# Altium PCB OneBox.PcbDoc (part 1 of 13) (continued)
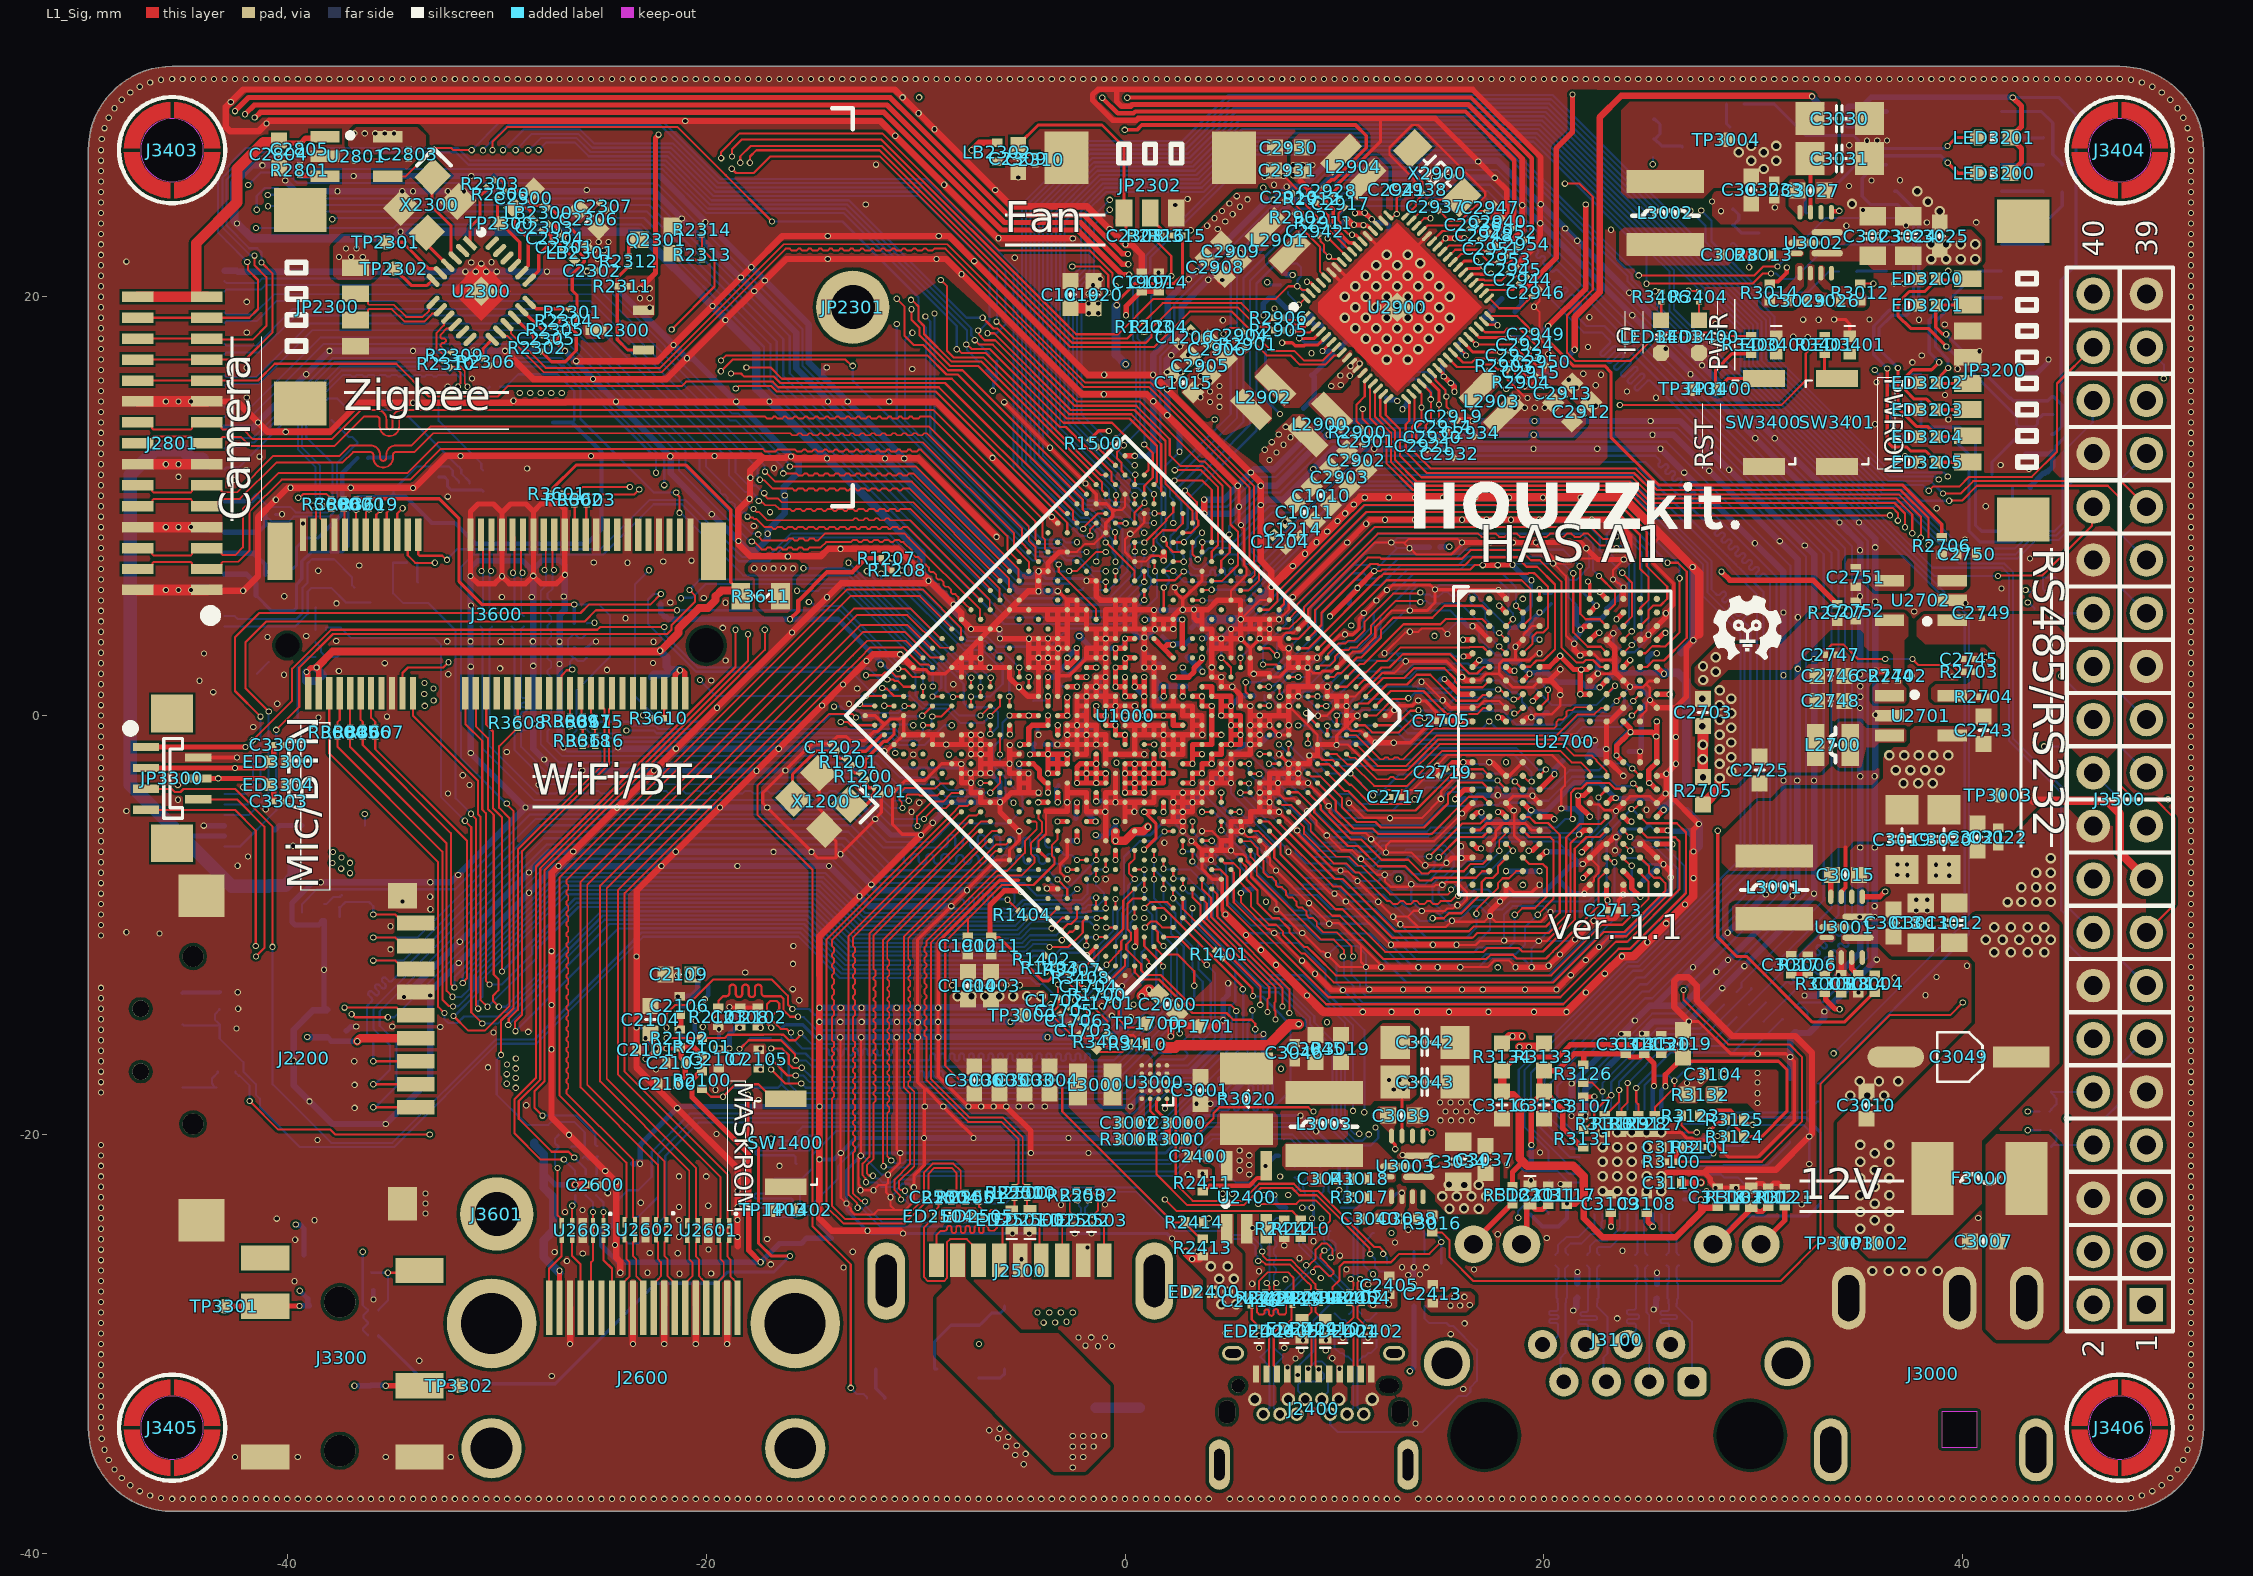
[diagram p0: L1_Sig view]
## Classes and differential pairs (continued)
component class OneBox_23_Usb_Hub: C2300 C2301 C2302 C2303 C2304 C2305 C2306 C2307 C2308 C2309 C2310 JP2300 JP2301 JP2302 LB2300 LB2301 LB2302 Q2300 Q2301 R2300 R2301 R2302 R2303 R2304 R2305 R2306 R2309 R2310 R2311 R2312 R2313 R2314 R2315 R2316 TP2300 TP2301 TP2302 U2300 X2300
component class OneBox_36_Wifi_Bt_Module: C3600 C3601 C3602 C3603 C3604 C3605 C3606 C3607 C3610 C3611 J3600 J3601 R3600 R3601 R3602 R3603 R3604 R3605 R3606 R3607 R3608 R3609 R3610 R3611 R3612 R3613 R3614 R3615 R3616 R3617 R3618 R3619 R3620
component class OneBox_35_Connect: ED3500 ED3501 ED3502 ED3503 J3500 R3500 R3501 R3502 R3503
component class OneBox_34_Key_Debug_Led: C3400 ED3400 ED3401 ED3402 ED3405 J3401 J3403 J3404 J3405 J3406 LED3400 LED3401 R3400 R3401 R3402 R3403 R3404 R3406 R3407 R3408 R3409 R3410 SW3400 SW3401 TP3400 TP3401 TP3402 TP3403
component class OneBox_33_Mic__Button_Speak: C3300 C3302 C3303 ED3300 ED3301 ED3302 ED3303 ED3304 J3300 JP3300 R3305 R3306 R3307 TP3300 TP3301 TP3302 TP3303
component class OneBox_32_Rs232_Rs485: C3200 C3201 C3202 C3203 C3204 C3205 ED3200 ED3201 ED3202 ED3203 ED3204 ED3205 JP3200 LED3200 LED3201 Q3200 Q3201 Q3202 R3200 R3201 R3202 R3203 R3204 R3205 R3206 R3207 R3208 R3209 R3210 R3211 R3212 R3213 R3214 U3200 U3201
component class OneBox_31_Ethernet: C3100 C3101 C3102 C3103 C3104 C3105 C3106 C3107 C3108 C3109 C3110 C3111 C3112 C3113 C3114 C3115 C3116 C3117 C3118 C3119 C3120 C3121 ED3100 ED3101 J3100 L3100 L3101 L3102 L3103 L3104 R3100 R3101 R3102 R3103 R3104 R3105 R3106 R3107 R3108 R3109 R3110 R3111 R3112 R3113 R3114 R3115 R3116 R3117 R3118 R3119 R3120 R3121 R3122 R3123 R3124 R3125 R3126 R3127 R3128 R3129 R3130 R3131 R3132 R3133 R3134 U3100 U3101 U3102 X3100
component class OneBox_30_Power_Cpu_Rtc: C3000 C3001 C3002 C3003 C3004 C3005 C3006 C3007 C3008 C3009 C3010 C3011 C3012 C3013 C3014 C3015 C3017 C3018 C3019 C3020 C3021 C3022 C3023 C3024 C3025 C3026 C3027 C3028 C3029 C3030 C3031 C3032 C3033 C3034 C3035 C3037 C3038 C3039 C3040 C3041 C3042 C3043 C3045 C3046 C3049 D3000 F3000 J3000 L3000 L3001 L3002 L3003 Net R3000 R3001 R3002 R3003 R3004 R3005 R3006 R3012 R3013 R3014 R3016 R3017 R3018 R3019 R3020 TP3000 TP3001 TP3002 TP3003 TP3004 U3000 U3001 U3002 U3003
component class OneBox_29_Power_Pmic: C2900 C2901 C2902 C2903 C2904 C2905 C2906 C2907 C2908 C2909 C2910 C2911 C2912 C2913 C2914 C2915 C2916 C2917 C2918 C2919 C2920 C2921 C2922 C2923 C2924 C2925 C2926 C2927 C2928 C2929 C2930 C2931 C2932 C2933 C2934 C2935 C2936 C2937 C2938 C2939 C2940 C2941 C2942 C2943 C2944 C2945 C2946 C2947 C2948 C2949 C2950 C2951 C2952 C2953 C2954 L2900 L2901 L2902 L2903 L2904 LB2900 LB2901 LB2902 LB2903 LB2904 R2900 R2901 R2902 R2903 R2904 R2905 R2906 R2907 R2908 R2909 R2910 R2911 R2912 U2900 X2900
component class OneBox_28_Mipi_DSI_CSI: C2800 C2801 C2802 C2803 C2804 C2805 C2806 C2807 C2808 C2809 C2810 C2811 C2812 C2813 C2814 C2815 D2800 D2801 D2802 D2803 DZ2800 DZ2801 J2800 J2801 JP2802 L2800 L2801 Q2800 Q2801 R2800 R2801 R2802 R2803 R2804 R2805 R2806 R2807 R2808 R2809 R2810 R2811 R2812 R2813 R2814 R2815 R2816 U2800 U2801 U2802 U2803
component class OneBox_27_LPDDR4X_1X32bit_200P: C2700 C2701 C2702 C2703 C2704 C2705 C2706 C2707 C2708 C2709 C2710 C2711 C2712 C2713 C2714 C2715 C2716 C2717 C2718 C2719 C2720 C2721 C2722 C2723 C2724 C2725 C2726 C2727 C2728 C2729 C2730 C2731 C2732 C2733 C2734 C2735 C2736 C2737 C2738 C2739 C2740 C2741 C2742 C2743 C2744 C2745 C2746 C2747 C2748 C2749 C2750 C2751 C2752 C2753 C2754 C2755 C2756 C2757 C2758 C2759 C2760 L2700 R2700 R2701 R2702 R2703 R2704 R2705 R2706 R2707 U2700 U2701 U2702
component class OneBox_26_Hdmi_2_0_Tx: C2600 D2600 ED2600 J2600 R2600 R2601 R2602 R2603 U2600 U2601 U2602 U2603
component class OneBox_25_Usb_3_0_HOST1: C2500 C2501 C2502 C2503 C2504 C2505 C2506 D2500 ED2500 ED2501 ED2502 ED2503 ED2504 ED2505 ED2506 J2500 L2500 R2500 R2501 R2502 R2503 R2504 R2505 R2506 R2507 R2508 R2509 U2500
component class OneBox_24_Usb_3_0_OTG: C2400 C2401 C2402 C2403 C2404 C2405 C2406 C2407 C2408 C2409 C2410 C2411 C2412 C2413 C2414 C2415 C2416 C2417 C2418 D2400 ED2400 ED2401 ED2402 ED2403 ED2404 ED2405 ED2406 ED2407 ED2408 ED2409 ED2410 J2400 L2400 L2401 L2402 L2403 L2404 R2400 R2401 R2402 R2403 R2404 R2405 R2406 R2407 R2408 R2409 R2410 R2411 R2412 R2413 R2414 R2415 R2416 U2400 U2401 U2402
component class OneBox_22_MicroSd_Card_Spi_Flash: C2200 C2201 C2202 C2203 ED2200 ED2201 ED2202 ED2203 ED2204 ED2205 ED2206 J2200 Q2200 R2200 R2201 R2202 R2203 R2204 U2200
component class OneBox_21_eMmc_Flash: C2100 C2101 C2102 C2103 C2104 C2105 C2106 C2107 C2108 C2109 R2100 R2101 R2102 R2103 U2100
component class OneBox_20_Flash_Power_Manage: C2000 R2001 R2002
component class OneBox_19_RK3568_UVW_Usb3_0_Sata_Qsgmii_Pcie2_0_x1_Usb2_0_Host_Pcie3_0_x2: C49 C1900 C1901 C1902 C1903 C1904 C1905 C1906 C1907 C1908 C1909 C1910 C1911 C1912 C1913 C1914 R1900 TP1900
component class OneBox_18_RK3568_QRST_Hdmi2_0_Tx_Mipi_Dsi_Tx0_Lvds_Tx0_Mipi_Dsi_Tx1_Edp_Tx: C1800 C1801 C1802 C1803 C1804 C1805 C1806 C1807 C1808 C1809 C1810 C1811 C1812 R1800
component class OneBox_17_RK3568_NOP_Vccio7_SARADC_OTP_Mipi_Csi_Rx: C1700 C1701 C1702 C1703 C1704 C1705 C1706 C1707 C1708 C1709 C1710 R1700 TP1700 TP1701
component class OneBox_16_RK3568_M_VCCIO6_Domain: C1600 C1601 R1600 R1601
component class OneBox_15_RK3568_L_VCCIO5_Domain: C1500 R1500 R1501 R1502
component class OneBox_14_RK3568_IJK_VCCIO234_Domain: C1400 C1401 C1402 R1400 R1401 R1402 R1403 R1404 SW1400 TP1402 TP1403
component class OneBox_13_RK3568_H_Vccio1_Domain: C1300
component class OneBox_12_RK3568_G_Osc_Pll_Pmuio1_2: C36 C38 C40 C43 C46 C1200 C1201 C1202 C1203 C1204 C1205 C1206 C1207 C1208 C1209 C1210 C1211 C1212 C1213 C1214 R1200 R1201 R1202 R1203 R1204 R1205 R1206 R1207 R1208 X1200
component class OneBox_11_RK3568_F_Ddr_Phy: C1100 C1101 C1102 C1103 C1104 C1105 C1106 C1107 C1108 C1109 R1100
component class OneBox_10_RK3568_ABCDE_Power_Gnd: C1 C8 C9 C1000 C1001 C1002 C1003 C1004 C1005 C1006 C1007 C1008 C1009 C1010 C1011 C1012 C1013 C1014 C1015 C1016 C1017 C1018 C1019 C1020 U1000
differential pair PCIE20RX: +PCIE20RX_P -PCIE20RX_N
differential pair USB3_DP/DM: +USB3_DP/DM_P -USB3_DP/DM_N
differential pair USB2_DP/DM: +USB2_DP/DM_P -USB2_DP/DM_N
differential pair USB2_M2_DP/DM: +USB2_M2_DP/DM_P -USB2_M2_DP/DM_N
differential pair MIPI_DSI_TX0_D3: +MIPI_DSI_TX0_D3_P -MIPI_DSI_TX0_D3_N
differential pair MIPI_DSI_TX0_D2: +MIPI_DSI_TX0_D2_P -MIPI_DSI_TX0_D2_N
differential pair MIPI_DSI_TX0_D1: +MIPI_DSI_TX0_D1_P -MIPI_DSI_TX0_D1_N
differential pair MIPI_DSI_TX0_D0: +MIPI_DSI_TX0_D0_P -MIPI_DSI_TX0_D0_N
differential pair MIPI_DSI_TX0_CLK: +MIPI_DSI_TX0_CLK_P -MIPI_DSI_TX0_CLK_N
differential pair PCIE20TX: +PCIE20TX_P -PCIE20TX_N
differential pair SSTXCOM: +SSTXCOM_P -SSTXCOM_N
differential pair SSRXCOM: +SSRXCOM_P -SSRXCOM_N
differential pair TYPEC0TX2: +TYPEC0TX2_P -TYPEC0TX2_N
differential pair TYPEC0TX1: +TYPEC0TX1_P -TYPEC0TX1_N
differential pair TYPEC0RX2: +TYPEC0RX2_P -TYPEC0RX2_N
differential pair TYPEC0RX1: +TYPEC0RX1_P -TYPEC0RX1_N
differential pair PHY1_MDI_3: +PHY1_MDI_3_P -PHY1_MDI_3_N
differential pair PHY1_MDI_2: +PHY1_MDI_2_P -PHY1_MDI_2_N
differential pair PHY1_MDI_1: +PHY1_MDI_1_P -PHY1_MDI_1_N
differential pair PHY1_MDI_0: +PHY1_MDI_0_P -PHY1_MDI_0_N
differential pair PHY1_MDI3: +PHY1_MDI3_P -PHY1_MDI3_N
differential pair PHY1_MDI2: +PHY1_MDI2_P -PHY1_MDI2_N
differential pair PHY1_MDI1: +PHY1_MDI1_P -PHY1_MDI1_N
differential pair PHY1_MDI0: +PHY1_MDI0_P -PHY1_MDI0_N
differential pair USB3_OTG0_SSTX: +USB3_OTG0_SSTX_P -USB3_OTG0_SSTX_N
differential pair USB3_OTG0_SSRX: +USB3_OTG0_SSRX_P -USB3_OTG0_SSRX_N
differential pair USB3_OTG0_DP/DM: +USB3_OTG0_DP/DM_P -USB3_OTG0_DP/DM_N
differential pair USB3_HOST1_SSTX: +USB3_HOST1_SSTX_P -USB3_HOST1_SSTX_N
differential pair USB3_HOST1_SSRX: +USB3_HOST1_SSRX_P -USB3_HOST1_SSRX_N
differential pair USB3_HOST1_DP/DM: +USB3_HOST1_DP/DM_P -USB3_HOST1_DP/DM_N
differential pair USB2_HOST2_DP/DM: +USB2_HOST2_DP/DM_P -USB2_HOST2_DP/DM_N
differential pair PCIE20_TX: +PCIE20_TX_P -PCIE20_TX_N
differential pair PCIE20_RX: +PCIE20_RX_P -PCIE20_RX_N
differential pair PCIE20_REFCLK: +PCIE20_REFCLK_P -PCIE20_REFCLK_N
differential pair MIPI_CSI_RX_D1: +MIPI_CSI_RX_D1_P -MIPI_CSI_RX_D1_N
differential pair MIPI_CSI_RX_D0: +MIPI_CSI_RX_D0_P -MIPI_CSI_RX_D0_N
differential pair MIPI_CSI_RX_CLK0: +MIPI_CSI_RX_CLK0_P -MIPI_CSI_RX_CLK0_N
differential pair LPDDR4_B_CLK: +LPDDR4_B_CLK_P -LPDDR4_B_CLK_N
differential pair LPDDR4_A_CLK: +LPDDR4_A_CLK_P -LPDDR4_A_CLK_N
differential pair HDMI_PORT_TXCLK: +HDMI_PORT_TXCLK_P -HDMI_PORT_TXCLK_N
differential pair HDMI_PORT_TX2: +HDMI_PORT_TX2_P -HDMI_PORT_TX2_N
differential pair HDMI_PORT_TX1: +HDMI_PORT_TX1_P -HDMI_PORT_TX1_N
differential pair HDMI_PORT_TX0: +HDMI_PORT_TX0_P -HDMI_PORT_TX0_N
differential pair DDR_B_DQS1: +DDR_B_DQS1_P -DDR_B_DQS1_N
differential pair DDR_B_DQS0: +DDR_B_DQS0_P -DDR_B_DQS0_N
differential pair DDR_A_DQS1: +DDR_A_DQS1_P -DDR_A_DQS1_N
differential pair DDR_A_DQS0: +DDR_A_DQS0_P -DDR_A_DQS0_N

## Components (designator, comment, footprint, x,y, rotation, side; value= is the part's Value field where it differs from the comment)
C1000 "100nF/10V" C0402_NS 0.7,-2.1 r225 bottom
C1001 "4.7uF/6.3V" C0402_NS -0.312,-3.122 r45 bottom
C1002 "22uF/6.3V" C0603_NS 1.8,-2.3 r225 bottom
C1003 "22uF/6.3V" C0603_NS -6.4,-12.9 r270 top
C1004 "22uF/6.3V" C0603_NS -7.5,-12.9 r270 top
C1005 "100nF/10V" C0201_NS -0.603,-0.636 r45 bottom
C1006 "4.7uF/6.3V" C0402_NS -1.226,-0.248 r45 bottom
C1007 "1uF/16V" C0402_NS 0.294,-0.738 r225 bottom
C1008 "1uF/16V" C0402_NS 1.618,-0.393 r45 bottom
C1009 "22uF/6.3V" C0603_NS 1.2,2 r225 bottom
C1010 "22uF/6.3V" C0603_NS 9.371,10.504 r135 top
C1011 "10uF/10V" C0603_NS 8.591,9.713 r135 top
C1012 "100nF/10V" C0201_NS -0.2,0.7 r45 bottom
C1013 "4.7uF/6.3V" C0402_NS -0.784,1.18 r45 bottom
C1014 "22uF/6.3V" C0603_NS 0.4,2.8 r225 bottom
C1015 "22uF/6.3V" C0603_NS 2.8,15.9 r315 top
C1016 "10uF/10V" C0603_NS 3.6,16.7 r315 bottom
C1017 "100nF/10V" C0201_NS -2.12,-3.393 r135 bottom
C1018 "22uF/6.3V" C0603_NS -1.4,-2.1 r270 bottom
C1019 "22uF/6.3V" C0603_NS -2.6,20.1 r270 top
C1020 "10uF/10V" C0603_NS -1.5,20.1 r270 top
C1100 "100nF/10V" C0201_NS 5.312,-1.373 r180 bottom
C1101 "100nF/10V" C0201_NS 3.896,-2.974 r135 bottom
C1102 "4.7uF/6.3V" C0402_NS 3.49,-3.549 r135 bottom
C1103 "4.7uF/6.3V" C0402_NS 4.586,-2.255 r180 bottom
C1104 "10uF/10V" C0603_NS 5.551,0.053 r135 bottom
C1105 "100nF/10V" C0201_NS 4.424,-0.736 r315 bottom
C1106 "100nF/10V" C0201_NS 3.5,-1.65 r315 bottom
C1107 "4.7uF/6.3V" C0402_NS 2.88,-2.627 r45 bottom
C1108 "4.7uF/6.3V" C0402_NS 3.904,1.259 r225 bottom
C1109 "4.7uF/6.3V" C0402_NS 3.832,0.083 r45 bottom
C1200 "100nF/10V" C0201_NS -12.935,0.562 r0 bottom
C1201 "12pF/50V" C0201_NS -11.8,-3.6 r135 top
C1202 "12pF/50V" C0201_NS -13.9,-1.5 r315 top
C1203 "100nF/10V" C0201_NS -5.315,0.16 r225 bottom
C1204 "1uF/10V" C0402_NS 7.4,8.3 r135 top
C1205 "100nF/10V" C0201_NS -4.909,-1.139 r270 bottom
C1206 "1uF/10V" C0402_NS 2.859,18.076 r45 top
C1207 "100nF/10V" C0201_NS -5.5,-1.15 r90 bottom
C1208 "1uF/10V" C0402_NS 0.886,0.446 r0 bottom
C1209 "100nF/10V" C0201_NS 1.7,1.1 r315 bottom
C1210 "100nF/10V" C0201_NS -4.76,-0.176 r45 bottom
C1211 "1uF/10V" C0402_NS -6.4,-11 r90 top
C1212 "100nF/10V" C0201_NS 2.761,0.668 r90 bottom
C1213 "100nF/10V" C0201_NS -3.925,-0.456 r0 bottom
C1214 "1uF/10V" C0402_NS 8,8.9 r135 top
C1300 "100nF/10V" C0201_NS 1.846,-4.334 r270 bottom
C1400 "100nF/10V" C0201_NS 0.919,-4.346 r270 bottom
C1401 "100nF/10V" C0201_NS -1.864,-4.311 r270 bottom
C1402 "100nF/10V" C0201_NS 0.133,-5.692 r270 bottom
C1500 "100nF/10V" C0201_NS -0.934,3.463 r270 bottom
C1600 "100nF/10V" C0201_NS 1.609,3.941 r315 bottom
C1601 "1uF/10V" C0201_NS 3.176,3.931 r270 bottom
C1700 "100nF/10V" C0201_NS 0.202,3.86 r225 bottom
C1701 "1nF/50V" C0201_NS -0.923,-13.723 r45 top
C1702 "1nF/50V" C0201_NS -3.363,-13.608 r45 top
C1703 "1nF/50V" C0201_NS -1.97,-15.013 r45 top
C1704 "1nF/50V" C0201_NS -1.723,-12.923 r45 top
C1705 "1nF/50V" C0201_NS -2.897,-14.087 r45 top
C1706 "1nF/50V" C0201_NS -2.42,-14.563 r45 top
C1707 "100nF/10V" C0201_NS -1.2,-5.506 r225 bottom
C1708 "100nF/10V" C0201_NS -0.45,-6.209 r90 bottom
C1709 "100nF/10V" C0201_NS -1.381,2.559 r270 bottom
C1710 "100nF/10V" C0201_NS -2.527,3.421 r315 bottom
C1800 "100nF/10V" C0201_NS -30.4,-3 r225 bottom
C1801 "100nF/10V" C0201_NS -2.516,0.879 r180 bottom
C1802 "4.7uF/6.3V" C0402_NS -2.381,0.12 r180 bottom
C1803 "100nF/10V" C0201_NS -3.836,1.122 r315 bottom
C1804 "4.7uF/6.3V" C0402_NS -4.715,1.009 r315 bottom
C1805 "100nF/10V" C0201_NS -3.679,2.096 r270 bottom
C1806 "100nF/10V" C0201_NS -3,1.7 r225 bottom
C1807 "100nF/10V" C0201_NS -2.955,2.981 r315 bottom
C1808 "100nF/10V" C0201_NS -1.61,1.826 r180 bottom
C1809 "100nF/10V" C0201_NS -2.18,-5.093 r135 bottom
C1810 "100nF/10V" C0201_NS -0.922,-4.323 r90 bottom
C1811 "1uF/10V" C0201_NS 9.2,15 r135 bottom
C1812 "1uF/10V" C0201_NS 4,4.2 r315 bottom
C1900 "100nF/10V" C0402_NS -7.5,-11 r90 top
C1901 "100nF/10V" C0201_NS -3.058,-4.878 r225 bottom
C1902 "100nF/10V" C0201_NS -4.146,-4.4 r90 bottom
C1903 "100nF/10V" C0201_NS -3,-3.5 r135 bottom
C1904 "100nF/10V" C0201_NS -3.906,-3.675 r0 bottom
C1905 "100nF/10V" C0201_NS -3.42,-2.758 r180 bottom
C1906 "4.7uF/6.3V" C0402_NS -3.126,-1.804 r270 bottom
C1907 "4.7uF/6.3V" C0402_NS 0.8,20.7 r270 top
C1908 "100nF/10V" C0201_NS 3.856,2.936 r225 bottom
C1909 "100nF/10V" C0201_NS 2.967,1.653 r90 bottom
C1910 "100nF/10V" C0201_NS 2.287,4.37 r90 bottom
C1911 "100nF/10V" C0201_NS -4.877,-3.323 r135 bottom
C1912 "100nF/10V" C0201_NS -4.093,-1.368 r180 bottom
C1913 "4.7uF/6.3V" C0402_NS -4.518,-2.326 r90 bottom
C1914 "4.7uF/6.3V" C0402_NS 1.6,20.7 r270 top
C2000 "10uF/10V" C0603_NS 2.04,-13.776 r135 top
C2100 "100nF/10V" C0402_NS -21.83,-17.58 r180 top
C2101 "100nF/10V" C0402_NS -22.869,-15.951 r180 top
C2102 "100nF/10V" C0402_NS -17.535,-14.397 r90 top
C2103 "100nF/10V" C0402_NS -21.447,-16.572 r180 top
C2104 "4.7uF/10V" C0603_NS -22.658,-14.517 r90 top
C2105 "1uF/16V" C0402_NS -17.5,-16.4 r90 top
C2106 "100nF/10V" C0402_NS -21.265,-13.842 r90 top
C2107 "100nF/10V" C0402_NS -19.4,-16.4 r270 top
C2108 "100nF/10V" C0402_NS -18.375,-14.397 r90 top
C2109 "4.7uF/10V" C0603_NS -21.3,-12.361 r180 top
C2200 "10uF/10V" C0603_NS -38.1,-14.7 r90 bottom
C2201 "100nF/10V" C0201_NS -37.2,-15.3 r90 bottom
C2202 "100nF/10V" C0201_NS -14.6,-25.2 r270 bottom
C2203 "1uF/10V" C0201_NS -14,-25.2 r270 bottom
C2300 "22uF/10V" C0603_NS -28.7,24.7 r225 top
C2301 "56pF/16V" C0201_NS -26.764,22.374 r225 top
C2302 "56pF/16V" C0201_NS -25.445,21.246 r0 top
C2303 "100nF/16V" C0201_NS -27.7,23.3 r45 top
C2304 "100nF/16V" C0201_NS -27.2,22.8 r45 top
C2305 "100nF/16V" C0201_NS -27.635,17.998 r135 top
C2306 "22uF/10V" C0603_NS -25.6,23.7 r315 top
C2307 "100nF/16V" C0201_NS -24.923,24.323 r315 top
C2308 "NC" C0201_NS 0.5,22.924 r180 top
C2309 "22uF/10V" C0603_NS -5.1,26.6 r90 top
C2310 "100nF/16V" C0201_NS -4.284,26.535 r90 top
C2400 "1uF/10V" C0402_NS 3.499,-21.03 r0 top
C2401 "47uF/10V" C1206_NS 5.289,-24.634 r270 bottom
C2402 "47uF/10V" C1206_NS 3.4,-24.3 r270 bottom
C2403 "22uF/10V" C0603_NS 5.4,-28.8 r90 bottom
C2404 "100nF/10V" C0402_NS 5.7,-27.3 r180 bottom
C2405 "1uF/16V" C0402_NS 12.615,-27.196 r270 top
C2406 "100nF/10V" C0201_NS 8.1,-21.8 r90 bottom
C2407 "100nF/10V" C0201_NS 8.7,-21.8 r90 bottom
C2408 "100nF/10V" C0201_NS 9.3,-21.8 r90 bottom
C2409 "100nF/10V" C0201_NS 9.9,-21.8 r90 bottom
C2410 "220pF/50V" C0402_NS 13.8,-24.6 r0 bottom
C2411 "220pF/50V" C0402_NS 15.8,-29 r180 bottom
C2412 "1uF/16V" C0402_NS 6.854,-22.495 r270 bottom
C2413 "1uF/16V" C0402_NS 14.7,-27.6 r270 top
C2414 "1uF/16V" C0402_NS 13.405,-29.208 r0 bottom
C2415 "100nF/10V" C0201_NS 8,-27.9 r270 top
C2416 "100nF/10V" C0201_NS 6,-27.937 r270 top
C2417 "100nF/10V" C0201_NS 10,-28.8 r270 bottom
C2418 "100nF/10V" C0201_NS 12,-28.8 r270 bottom
C2500 "100nF/10V" C0201_NS -8.9,-23 r90 top
C2501 "100nF/10V" C0201_NS -7,-23 r90 top
C2502 "1uF/10V" C0402_NS -2.7,-29.2 r90 bottom
C2503 "47uF/10V" C1206_NS -5,-33.1 r0 bottom
C2504 "47uF/10V" C1206_NS -1.4,-31.6 r270 bottom
C2505 "22uF/10V" C0603_NS 0.7,-32.4 r270 bottom
C2506 "100nF/10V" C0402_NS -4.2,-34.6 r0 bottom
C2600 "100nF/10V" C0201_NS -25.3,-22.4 r0 top
C2700 "NC" C0201_NS 24.868,-5.08 r135 bottom
C2701 "22uF/6.3V" C0603_NS 21.499,-1.96 r180 bottom
C2702 "10uF/10V" C0603_NS 14,3.9 r0 bottom
C2703 "10uF/10V" C0603_NS 27.6,0.148 r270 top
C2704 "1uF/10V" C0402_NS 22.957,6.246 r225 bottom
C2705 "100nF/10V" C0201_NS 15.125,-0.244 r0 top
C2706 "100nF/10V" C0402_NS 25.1,-2.8 r270 bottom
C2707 "100nF/10V" C0402_NS 21.3,-4.1 r45 bottom
C2708 "100nF/10V" C0402_NS 19.783,0.389 r135 bottom
C2709 "100nF/10V" C0402_NS 21.283,2.192 r0 bottom
C2710 "100nF/10V" C0402_NS 14.7,1.7 r0 bottom
C2711 "100nF/10V" C0402_NS 18.2,-12 r180 bottom
C2712 "100nF/10V" C0201_NS 13.056,-8.033 r90 bottom
C2713 "100nF/10V" C0201_NS 23.3,-9.3 r180 top
C2714 "100nF/10V" C0402_NS 24.059,-1.266 r90 bottom
C2715 "100nF/10V" C0402_NS 21.231,0.929 r0 bottom
C2716 "100nF/10V" C0402_NS 25.811,-0.998 r180 bottom
C2717 "100nF/10V" C0201_NS 12.94,-3.882 r180 top
C2718 "100nF/10V" C0402_NS 25.5,0.9 r0 bottom
C2719 "100nF/10V" C0201_NS 15.175,-2.712 r45 top
C2720 "100nF/10V" C0402_NS 17.8,-2.3 r0 bottom
C2721 "100nF/10V" C0201_NS 16.468,-3.968 r180 bottom
C2722 "100nF/10V" C0402_NS 25.8,-0.2 r180 bottom
C2723 "22uF/6.3V" C0603_NS 21.3,-7.8 r0 bottom
C2724 "10uF/10V" C0603_NS 20.2,4.3 r135 bottom
C2725 "10uF/10V" C0603_NS 30.3,-2.6 r90 top
C2726 "1uF/10V" C0402_NS 10.756,4.828 r270 bottom
C2727 "100nF/10V" C0402_NS 22.2,4 r0 bottom
C2728 "100nF/10V" C0201_NS 14.785,8.035 r0 bottom
C2729 "100nF/10V" C0402_NS 22.037,5.201 r0 bottom
C2730 "100nF/10V" C0402_NS 24.5,2.6 r180 bottom
C2731 "100nF/10V" C0402_NS 24.728,-8.319 r270 bottom
C2732 "100nF/10V" C0402_NS 16.013,4.128 r270 bottom
C2733 "100nF/10V" C0402_NS 26.5,-5.8 r225 bottom
C2734 "100nF/10V" C0402_NS 6.4,-8.6 r315 bottom
C2735 "100nF/10V" C0402_NS 16.5,-6.3 r0 bottom
C2736 "100nF/10V" C0201_NS 24.004,-5.223 r45 bottom
C2737 "100nF/10V" C0402_NS 23.5,5.1 r270 bottom
C2738 "100nF/10V" C0402_NS 25.8,4.4 r270 bottom
C2739 "100nF/10V" C0402_NS 19.7,-6.445 r180 bottom
C2740 "100nF/10V" C0402_NS 18.3,-7.9 r90 bottom
C2741 "100nF/10V" C0402_NS 17.5,5.634 r315 bottom
C2742 "100nF/10V" C0402_NS 18.861,3.584 r45 bottom
C2743 "10uF/10V" C0603_NS 41,-0.7 r270 top
C2744 "100nF/10V" C0201_NS 36.3,1.9 r270 top
C2745 "100pF/50V" C0201_NS 40.3,2.7 r180 top
C2746 "22uF/6.3V" C0603_NS 33.7,1.9 r180 top
C2747 "100nF/10V" C0201_NS 33.7,2.9 r180 top
C2748 "10uF/10V" C0603_NS 33.7,0.7 r180 top
C2749 "1uF/10V" C0201_NS 40.9,4.9 r270 top
C2750 "NC" C0402_NS 40.2,7.7 r180 top
C2751 "100nF/10V" C0402_NS 34.9,6.6 r90 top
C2752 "4.7uF/6.3V" C0402_NS 34.9,5 r270 top
C2753 "10uF/10V" C0603_NS 26.1,2.5 r225 bottom
C2754 "100nF/10V" C0402_NS 23.366,-3.161 r225 bottom
C2755 "100nF/10V" C0402_NS 16.555,-4.752 r0 bottom
C2756 "100nF/10V" C0402_NS 18.946,-4.576 r0 bottom
C2757 "10uF/10V" C0603_NS 26.3,-4.5 r180 bottom
C2758 "100nF/10V" C0402_NS 23.024,2.601 r0 bottom
C2759 "100nF/10V" C0402_NS 19.895,2.566 r270 bottom
C2760 "100nF/10V" C0402_NS 16.875,3.149 r270 bottom
C2800 "1uF/10V" C0201_NS -34.9,-6.8 r90 bottom
C2801 "22uF/10V" C0603_NS -40.9,-7.5 r90 bottom
C2802 "100nF/10V" C0201_NS -41.798,-7.697 r90 bottom
C2803 "1uF/10V" C0201_NS -34.2,26.8 r270 top
C2804 "22uF/10V" C0603_NS -40.4,26.8 r270 top
C2805 "100nF/10V" C0201_NS -39.398,27.048 r270 top
C2806 "22uF/10V" C0603_NS -34.7,-0.1 r180 bottom
C2807 "22uF/50V" C0603_NS -40.8,2 r180 bottom
C2808 "10uF/50V" C0603_NS -40.8,5.7 r0 bottom
C2809 "1uF/50V" C0603_NS -40.8,10.5 r0 bottom
C2810 "100nF/10V" C0402_NS -30.2,10.7 r180 bottom
C2811 "10uF/10V" C0603_NS -27.9,11.8 r180 bottom
C2812 "100nF/10V" C0402_NS -30.2,11.7 r180 bottom
C2813 "10uF/50V" C0603_NS -40.8,7.6 r180 bottom
C2814 "10uF/50V" C0603_NS -40.8,8.7 r180 bottom
C2815 "1uF/50V" C0603_NS -36.4,14.7 r90 bottom
C2900 "22uF/6.3V" C0603_NS 11.2,17 r225 bottom
C2901 "100nF/10V" C0201_NS 11.52,13.106 r225 top
C2902 "22uF/6.3V" C0603_NS 11.056,12.183 r135 top
C2903 "22uF/6.3V" C0603_NS 10.256,11.383 r135 top
C2904 "100nF/10V" C0201_NS 5.447,18.166 r45 top
C2905 "22uF/6.3V" C0603_NS 3.6,16.7 r315 top
C2906 "22uF/6.3V" C0603_NS 4.4,17.5 r315 top
C2907 "10uF/10V" C0603_NS 15.062,21.546 r45 bottom
C2908 "22uF/6.3V" C0603_NS 4.3,21.4 r135 top
C2909 "22uF/6.3V" C0603_NS 5.058,22.167 r135 top
C2910 "100nF/10V" C0201_NS 7.839,24.76 r225 top
C2911 "10uF/10V" C0603_NS 14.7,17.3 r315 bottom
C2912 "22uF/6.3V" C0603_NS 21.8,14.5 r225 top
C2913 "22uF/6.3V" C0603_NS 20.9,15.4 r225 top
C2914 "1uF/10V" C0201_NS 15.2,13.8 r135 top
C2915 "1uF/10V" C0201_NS 19.4,16.4 r135 top
C2916 "1uF/10V" C0201_NS 9.971,18.346 r225 bottom
C2917 "1uF/10V" C0201_NS 10.292,24.445 r315 top
C2918 "10uF/10V" C0603_NS 12.717,22.622 r90 bottom
C2919 "1uF/10V" C0201_NS 15.7,14.3 r135 top
C2920 "1uF/10V" C0201_NS 14.7,13.3 r135 top
C2921 "1uF/10V" C0201_NS 14.263,12.878 r135 top
C2922 "4.7uF/6.3V" C0402_NS 15.587,18.062 r315 bottom
C2923 "1uF/10V" C0201_NS 18.6,17.2 r135 top
C2924 "1uF/10V" C0201_NS 19.1,17.7 r135 top
C2925 "1uF/10V" C0201_NS 9.537,18.801 r225 bottom
C2926 "1uF/10V" C0201_NS 7.499,17.551 r90 bottom
C2927 "1uF/10V" C0201_NS 8.7,14.5 r135 bottom
C2928 "1uF/10V" C0201_NS 9.671,25.063 r135 top
C2929 "10uF/10V" C0603_NS 10.88,21.96 r135 bottom
C2930 "22uF/6.3V" C0603_NS 7.809,27.123 r180 top
C2931 "10uF/10V" C0603_NS 7.767,26.039 r180 top
C2932 "1uF/10V" C0201_NS 15.5,12.5 r315 top
C2933 "1uF/10V" C0201_NS 9.071,19.272 r45 bottom
C2934 "1uF/10V" C0201_NS 16.5,13.5 r315 top
C2935 "1uF/10V" C0201_NS 10.1,17.4 r45 bottom
C2936 "1uF/10V" C0201_NS 16.646,23.441 r45 top
C2937 "12pF/50V" C0201_NS 14.8,24.3 r315 top
C2938 "12pF/50V" C0201_NS 14,25.1 r135 top
C2939 "100nF/10V" C0201_NS 8.667,20.005 r315 bottom
C2940 "1uF/10V" C0201_NS 17.807,23.589 r45 top
C2941 "100nF/10V" C0201_NS 13,25.1 r135 top
C2942 "100nF/10V" C0201_NS 9.077,23.123 r135 top
C2943 "10uF/10V" C0603_NS 16.648,19.476 r135 bottom
C2944 "2.2uF/10V" C0201_NS 19,20.8 r45 top
C2945 "1uF/10V" C0201_NS 18.5,21.3 r45 top
C2946 "2.2uF/10V" C0201_NS 19.6,20.2 r45 top
C2947 "1uF/10V" C0201_NS 17.443,24.249 r45 top
C2948 "1uF/10V" C0201_NS 17.152,22.936 r45 top
C2949 "NC" C0201_NS 19.6,18.2 r315 top
C2950 "NC" C0201_NS 19.9,16.9 r315 top
C2951 "27pF/50V" C0201_NS 17.5,22.3 r45 top
C2952 "100nF/10V" C0201_NS 18.3,23.1 r225 top
C2953 "27pF/50V" C0201_NS 18,21.8 r45 top
C2954 "100nF/10V" C0201_NS 18.9,22.5 r225 top
C3000 "NC" C0402_NS 2.484,-19.449 r180 top
C3001 "22uF/10V" C0603_NS 3.6,-17.9 r90 top
C3002 "100nF/10V" C0402_NS 0.2,-19.449 r180 top
C3003 "22uF/6.3V" C0603_NS -4.8,-17.4 r90 top
C3004 "22uF/6.3V" C0603_NS -3.6,-17.4 r90 top
C3005 "22uF/6.3V" C0603_NS -6,-17.4 r90 top
C3006 "22uF/6.3V" C0603_NS -7.2,-17.4 r90 top
C3007 "100nF/50V" C0603_NS 41,-25.1 r0 top
C3008 "2.2uF/50V" C0805_NS 37.4,-30.6 r0 bottom
C3009 "10uF/50V" C0805_NS 35.9,-18.9 r270 bottom
C3010 "100nF/50V" C0603_NS 35.4,-18.6 r270 top
C3011 "10uF/50V" C0805_NS 38,-9.9 r90 top
C3012 "10uF/50V" C0805_NS 39.6,-9.9 r90 top
C3013 "100nF/50V" C0603_NS 36.7,-9.9 r90 top
C3014 "100nF/10V" C0402_NS 35,-12.8 r270 top
C3015 "4.7uF/10V" C0603_NS 34.4,-7.6 r0 top
C3017 "220nF/25V" C0402_NS 31.8,-11.9 r90 top
C3018 "1uF/16V" C0402_NS 34.2,-12.8 r90 top
C3019 "47uF/10V" C1206_NS 37.1,-5.9 r270 top
C3020 "47uF/10V" C1206_NS 39.1,-5.9 r270 top
C3021 "22uF/10V" C0603_NS 40.7,-5.8 r270 top
C3022 "100nF/10V" C0402_NS 41.7,-5.8 r270 top
C3023 "10uF/50V" C0805_NS 35.7,22.9 r90 top
C3024 "10uF/50V" C0805_NS 37.4,22.9 r90 top
C3025 "100nF/50V" C0603_NS 38.9,22.9 r90 top
C3026 "100nF/10V" C0402_NS 33.7,19.8 r180 top
C3027 "4.7uF/10V" C0603_NS 32.747,25.066 r0 top
C3028 "220nF/25V" C0402_NS 28.9,22 r180 top
C3029 "1uF/16V" C0402_NS 32.1,19.8 r0 top
C3030 "47uF/10V" C1206_NS 34.1,28.5 r0 top
C3031 "47uF/10V" C1206_NS 34.1,26.6 r0 top
C3032 "22uF/10V" C0603_NS 29.9,25.1 r270 top
C3033 "100nF/10V" C0402_NS 31,25.1 r270 top
C3034 "10uF/50V" C0805_NS 15.9,-21.3 r90 top
C3035 "10uF/50V" C0805_NS 15.9,-21.3 r90 bottom
C3037 "100nF/50V" C0603_NS 17.2,-21.2 r90 top
C3038 "100nF/10V" C0402_NS 13.497,-24.035 r180 top
C3039 "4.7uF/10V" C0603_NS 13.2,-19.1 r0 top
C3040 "1uF/16V" C0402_NS 11.7,-24.035 r0 top
C3041 "220nF/25V" C0402_NS 9.624,-22.118 r180 top
C3042 "47uF/10V" C1206_NS 14.3,-15.6 r0 top
C3043 "47uF/10V" C1206_NS 14.3,-17.5 r0 top
C3045 "22uF/10V" C0603_NS 9.1,-15.9 r90 top
C3046 "100nF/10V" C0402_NS 8.1,-16.1 r90 top
C3049 "100uF/35V" "CM D(6.3*7.7)" 39.8,-16.3 r0 top
C3100 "12pF/50V" C0402_NS 28.6,-22.5 r90 bottom
C3101 "12pF/50V" C0402_NS 28.6,-21 r90 bottom
C3102 "NC" C0402_NS 26.1,-20.6 r0 top
C3103 "NC" C0402_NS 32.3,-14.8 r45 bottom
C3104 "NC" C0402_NS 28.097,-17.124 r180 top
C3105 "4.7uF/10V" C0603_NS 31.3,-18.3 r180 bottom
C3106 "100nF/10V" C0402_NS 31.3,-17.3 r180 bottom
C3107 "100nF/10V" C0402_NS 21.877,-18.65 r90 top
C3108 "100nF/10V" C0402_NS 24.9,-23.3 r270 top
C3109 "100nF/10V" C0402_NS 23.2,-23.3 r270 top
C3110 "100nF/10V" C0402_NS 26.1,-22.3 r0 top
C3111 "NC" C0402_NS 20.2,-22.9 r270 top
C3112 "NC" C0402_NS 30.722,-23.001 r270 top
C3113 "4.7uF/10V" C0603_NS 20,-18.6 r90 top
C3114 "1uF/10V" C0402_NS 23.9,-15.7 r270 top
C3115 "100nF/10V" C0402_NS 24.8,-15.7 r270 top
C3116 "4.7uF/10V" C0603_NS 18,-18.6 r90 top
C3117 "100nF/10V" C0402_NS 21.1,-22.9 r270 top
C3118 "100nF/10V" C0402_NS 28.3,-23 r270 top
C3119 "4.7uF/10V" C0603_NS 26.635,-15.665 r270 top
C3120 "100nF/10V" C0402_NS 25.6,-15.7 r270 top
C3121 "100nF/10V" C0402_NS 19.8,-22.2 r0 bottom
C3200 "100nF/10V" C0402_NS 44.3,26.3 r0 bottom
C3201 "100nF/10V" C0402_NS 44.3,25 r180 bottom
C3202 "100nF/10V" C0402_NS 34.5,27.7 r90 bottom
C3203 "100nF/10V" C0402_NS 44.3,27.6 r180 bottom
C3204 "100nF/10V" C0402_NS 44.3,22.5 r180 bottom
C3205 "100nF/10V" C0402_NS 44,11.2 r90 bottom
C3300 "220pF/50V" C0201_NS -40.4,-1.4 r180 top
C3302 "100nF/10V" C0201_NS -35.9,-29 r180 bottom
C3303 "220pF/50V" C0201_NS -40.4,-4.1 r180 top
C3400 "100nF/10V" C0402_NS -42.9,-14 r180 bottom
C3600 "NC" C0201_NS -37.3,10.1 r90 top
C3601 "100nF/10V" C0201_NS -30.8,4.5 r270 bottom
C3602 "100nF/10V" C0201_NS -30.2,4.5 r270 bottom
C3603 "22uF/10V" C0603_NS -21.7,1.5 r270 bottom
C3604 "22uF/10V" C0603_NS -38.2,1.4 r270 bottom
C3605 "100nF/16V" C0201_NS -22.6,1.6 r270 bottom
C3606 "100nF/16V" C0201_NS -39.1,1.4 r270 bottom
C3607 "NC" C0201_NS -25.7,3 r90 bottom
C3610 "100nF/10V" C0201_NS -29.3,4.5 r270 bottom
C3611 "100nF/10V" C0201_NS -28.692,4.503 r270 bottom
D2400 "1N5819" SOD-323 5.939,-21.014 r0 bottom
D2500 "1N5819" SOD-323 -10.5,-31.2 r0 bottom
D2600 "1N5819" SOD-323 -28.2,-19 r270 bottom
D2800 "1N5819" SOD-323 -38.1,-0.4 r180 bottom
D2801 "BAV99" SOT23-3L -33.9,11.4 r90 bottom
D2802 "BAV99" SOT23-3L -33.9,14.7 r90 bottom
D2803 "1N5819" SOD-323 -31.7,9.2 r180 bottom
D3000 "SS34" SMB 39,-22.1 r180 bottom
DZ2800 "MM1Z18V" SOD-123 -36.6,8.7 r180 bottom
DZ2801 "MM1Z10V" SOD-123 -39.1,12.9 r225 bottom
ED2200 "ESD5341N" DFN1006_2L -36.2,-9.5 r180 bottom
ED2201 "ESD5341N" DFN1006_2L -36.2,-10.6 r180 bottom
ED2202 "ESD5341N" DFN1006_2L -36.2,-11.7 r180 bottom
ED2203 "ESD5341N" DFN1006_2L -37.1,-13.67 r90 bottom
ED2204 "ESD5341N" DFN1006_2L -36.2,-16.5 r180 bottom
ED2205 "ESD5341N" DFN1006_2L -36.2,-17.6 r180 bottom
ED2206 "ESD5341N" DFN1006_2L -36.2,-18.7 r180 bottom
ED2400 "ESD5451N" DFN1006_2L 3.77,-27.5 r180 top
ED2401 "ESD5311Z" DFN0603_2L 10.4,-29.4 r270 top
ED2402 "ESD5311Z" DFN0603_2L 11.6,-29.4 r270 top
ED2403 "ESD5311Z" DFN0603_2L 6.4,-30.4 r90 bottom
ED2404 "ESD5311Z" DFN0603_2L 7.6,-30.4 r90 bottom
ED2405 "ESD5311Z" DFN0603_2L 7.6,-29.4 r270 top
ED2406 "ESD5311Z" DFN0603_2L 6.4,-29.4 r270 top
ED2407 "ESD5311Z" DFN0603_2L 11.4,-30.4 r90 bottom
ED2408 "ESD5311Z" DFN0603_2L 10.6,-30.4 r90 bottom
ED2409 "ESD5341N" DFN1006_2L 8.45,-29.28 r270 top
ED2410 "ESD5341N" DFN1006_2L 9.55,-29.28 r270 top
ED2500 "ESD5341N" DFN1006_2L -4.54,-24.079 r270 top
ED2501 "ESD5341N" DFN1006_2L -5.4,-24.08 r270 top
ED2502 "ESD5311Z" DFN0603_2L -2.4,-24.1 r270 top
ED2503 "ESD5311Z" DFN0603_2L -1.6,-24.1 r270 top
ED2504 "ESD5311Z" DFN0603_2L -8.9,-23.9 r0 top
ED2505 "ESD5311Z" DFN0603_2L -7,-23.9 r180 top
ED2506 "ESD5451N" DFN1006_2L -0.394,-34.35 r0 bottom
ED2600 "ESD5341N" DFN1006_2L -27.01,-27.032 r270 bottom
ED3100 "ESD9X5VU" DFN1006_2L 29.905,-23 r90 top
ED3101 "ESD9X5VU" DFN1006_2L 19.336,-22.89 r90 top
ED3200 "ESD9N12BA" DFN1006_2L 38.33,20.851 r180 top
ED3201 "ESD9N12BA" DFN1006_2L 38.33,19.6 r180 top
ED3202 "ESD9N12BA" DFN1006_2L 38.33,15.9 r180 top
ED3203 "ESD9N12BA" DFN1006_2L 38.33,14.6 r180 top
ED3204 "ESD9N12BA" DFN1006_2L 38.33,13.324 r180 top
ED3205 "ESD9N12BA" DFN1006_2L 38.33,12.1 r180 top
ED3300 "ESD5451N" DFN1006_2L -40.42,-2.2 r0 top
ED3301 "ESD5451N" DFN1006_2L -36.1,-32.38 r270 bottom
ED3302 "ESD5451N" DFN1006_2L -38.8,-28.58 r270 bottom
ED3303 "ESD5451N" DFN1006_2L -35.9,-27.005 r270 bottom
ED3304 "ESD5451N" DFN1006_2L -40.42,-3.3 r0 top
ED3400 "ESD5451N" DFN1006_2L 31.1,17.7 r90 top
ED3401 "ESD5451N" DFN1006_2L 34.6,17.7 r90 top
ED3402 "ESD5451N" DFN1006_2L -42.9,-14.9 r0 bottom
ED3405 "ESD5451N" DFN1006_2L -42.9,-17.9 r0 bottom
ED3500 "ESD5451N" DFN1006_2L 43.4,6.7 r180 bottom
ED3501 "ESD5451N" DFN1006_2L 43.8,-18 r180 bottom
ED3502 "ESD5451N" DFN1006_2L 43.8,-20.6 r180 bottom
ED3503 "ESD5451N" DFN1006_2L 43.4,4.3 r180 bottom
F3000 "MSMD300/3A/24V" "FU 1812" 40.8,-22.1 r180 top
J2200 "TF_Card" "MICRO SD" -44.5,-15.5 r270 top locked
J2400 "USB_TYPEC_115H0" USB-C/S_A 9,-35 r0 top locked
J2500 "USB3.1_Type-A" USB3.1_TYPE-A_HS -5,-26.5 r0 top locked
J2600 "HDMI_TYPE_A" HDMI -23,-33.5 r0 top locked
J2800 "FPC1.0-40P" "FPC0.5 2H-WS-40P" -45.5,11.5 r90 bottom locked
J2801 "FPC1.0-15P" FPC1.0-2H-LI-15P -45.5,13 r90 top locked
J3000 "DC-044A-25A" DC-IN-TH_DC-044A-25A 38.5,-31 r90 top locked
J3100 "RJ45_LED" RJ45-2LED 23.5,-32 r0 top
J3300 "PJ342" PJ342A -37.5,-39.5 r180 top locked
J3401 "SS-12F23" MSK-12C01-07 -47,-15.5 r90 bottom locked
J3403 "M.2-SMD-Hole" "M.2 SMT HOLE" -45.5,27 r0 top locked
J3404 "M.2-SMD-Hole" "M.2 SMT HOLE" 47.5,27 r0 top locked
J3405 "M.2-SMD-Hole" "M.2 SMT HOLE" -45.5,-34 r0 top locked
J3406 "M.2-SMD-Hole" "M.2 SMT HOLE" 47.5,-34 r0 top locked
J3500 "Header 2X11" HDR2.54-LI-2X20P 47.5,-4 r90 top locked
J3600 "M.2 NGFF E-KEY" "M.2 NGFF E-KEY" -30,5 r0 top locked
J3601 "M.2-SMD-Hole" SMT-HOLE-M2*3.5*3.5+1.2 -30,-23.8 r0 top
JP2300 "HDR-1X4" "MX 1.25-LS-4P" -39,19.5 r270 top locked
JP2301 "M.2-SMD-Hole" SMT-HOLE-M2*3.5*3.5+1.2 -13,19.5 r90 top
JP2302 "HDR-1X3" "MX 1.25-LS-3P" 4.939,26.261 r180 top
JP2802 "FPC1.0-6P" "FPC0.5 2H-WS-6P" -45.5,-5 r90 bottom locked
JP3200 "HDR-1X8" "MX 1.25-LS-8P" 42.5,16.5 r90 top locked
JP3300 "FPC1.0-7P" "FPC0.5 K-A-7PB" -45.5,-3 r270 top
L2400 "10uH" SDMM0806 11,-28.8 r270 bottom
L2401 "10uH" SDMM0806 7,-27.8 r270 top
L2402 "10uH" SDMM0806 11,-27.8 r90 top
L2403 "10uH" SDMM0806 7,-28.8 r90 bottom
L2404 "10uH" SDMM0806 9,-27.8 r270 top
L2500 "10uH" SDMM0806 -4.977,-22.776 r90 top
L2700 "2.2uH" NR2520 33.8,-1.4 r180 top
L2800 "2.2uH" SWPA252010 -35.6,-2.1 r180 bottom